# Altium PCB STM32_Cloc.PcbDoc
Units mm, origin at the board's own origin, x right, y up, seen from the top; angles counter-clockwise.
Board outline 93 x 70 mm, 2 copper layers (Top Layer, Bottom Layer); 51 components, 38 nets, 215 pads, 84 vias.
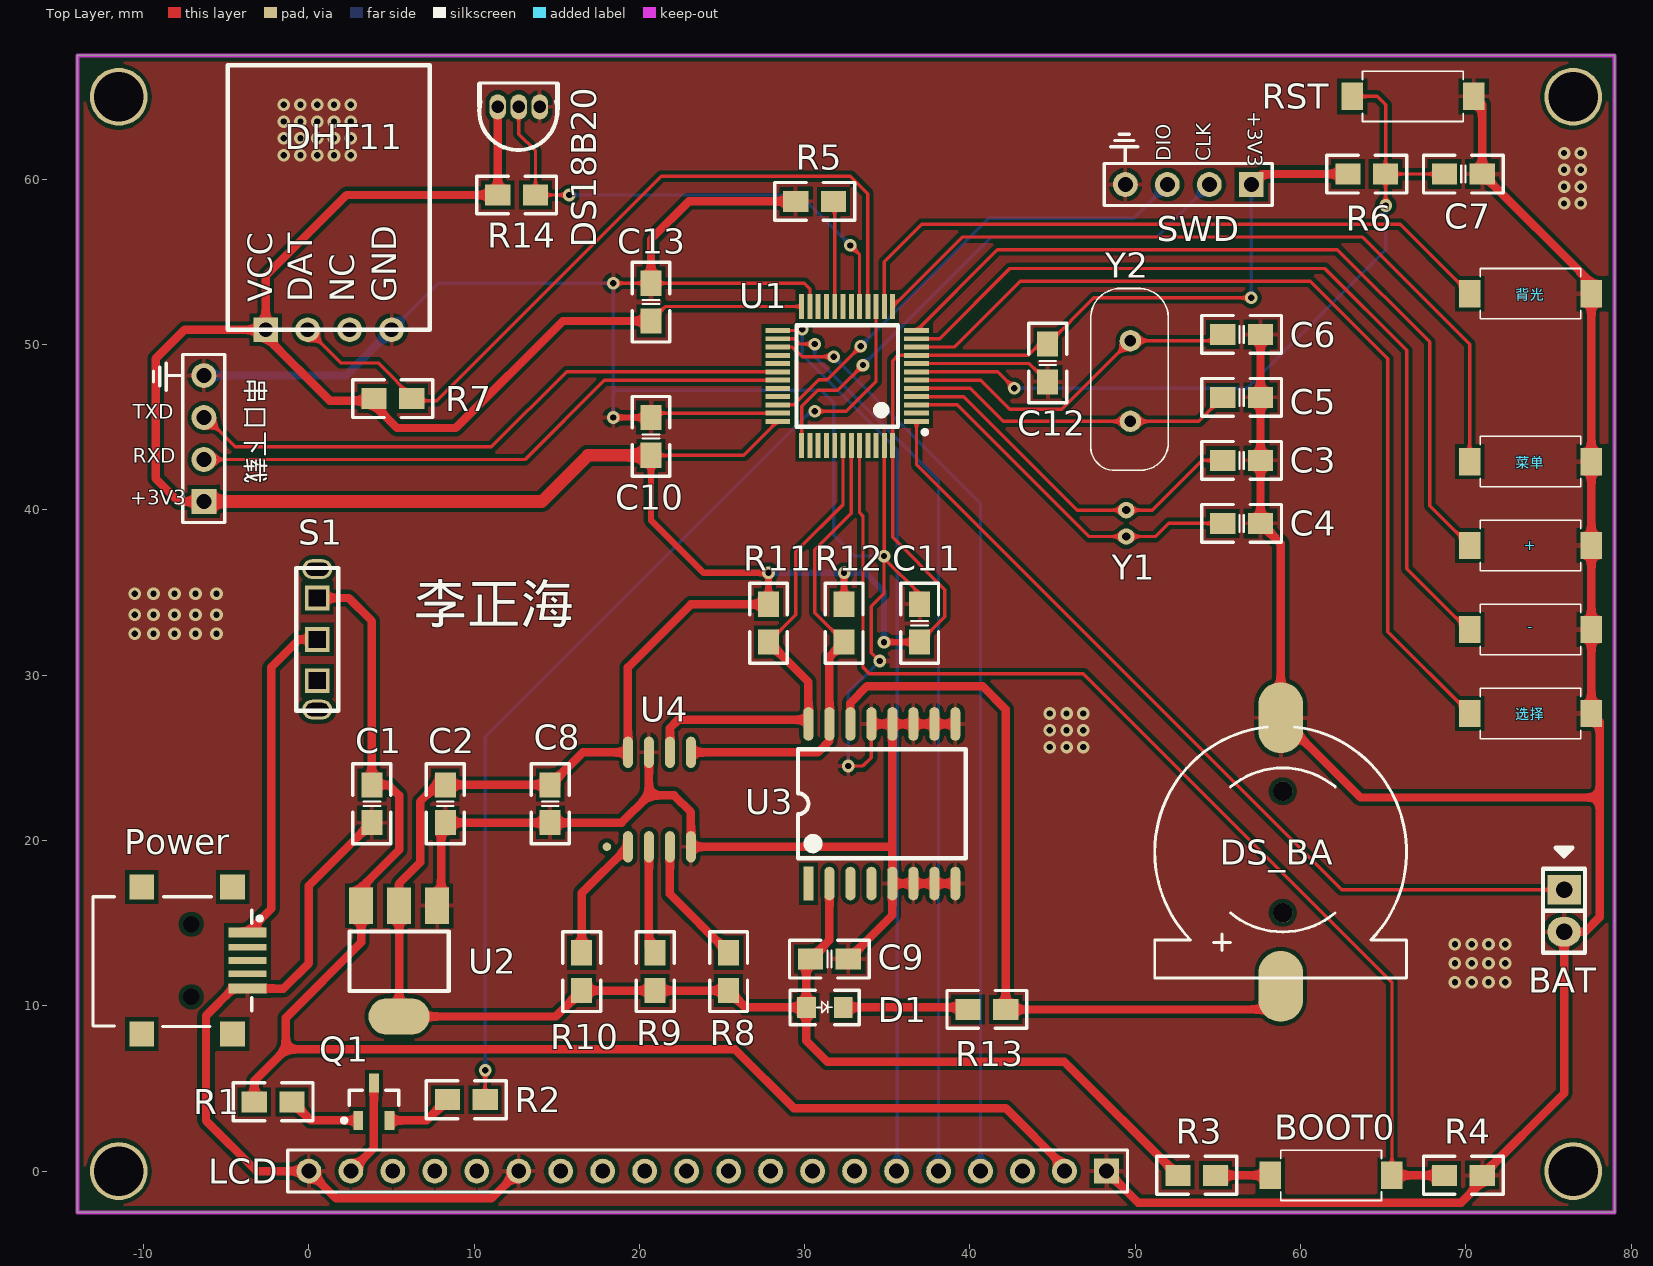
[diagram p0: Top Layer view]
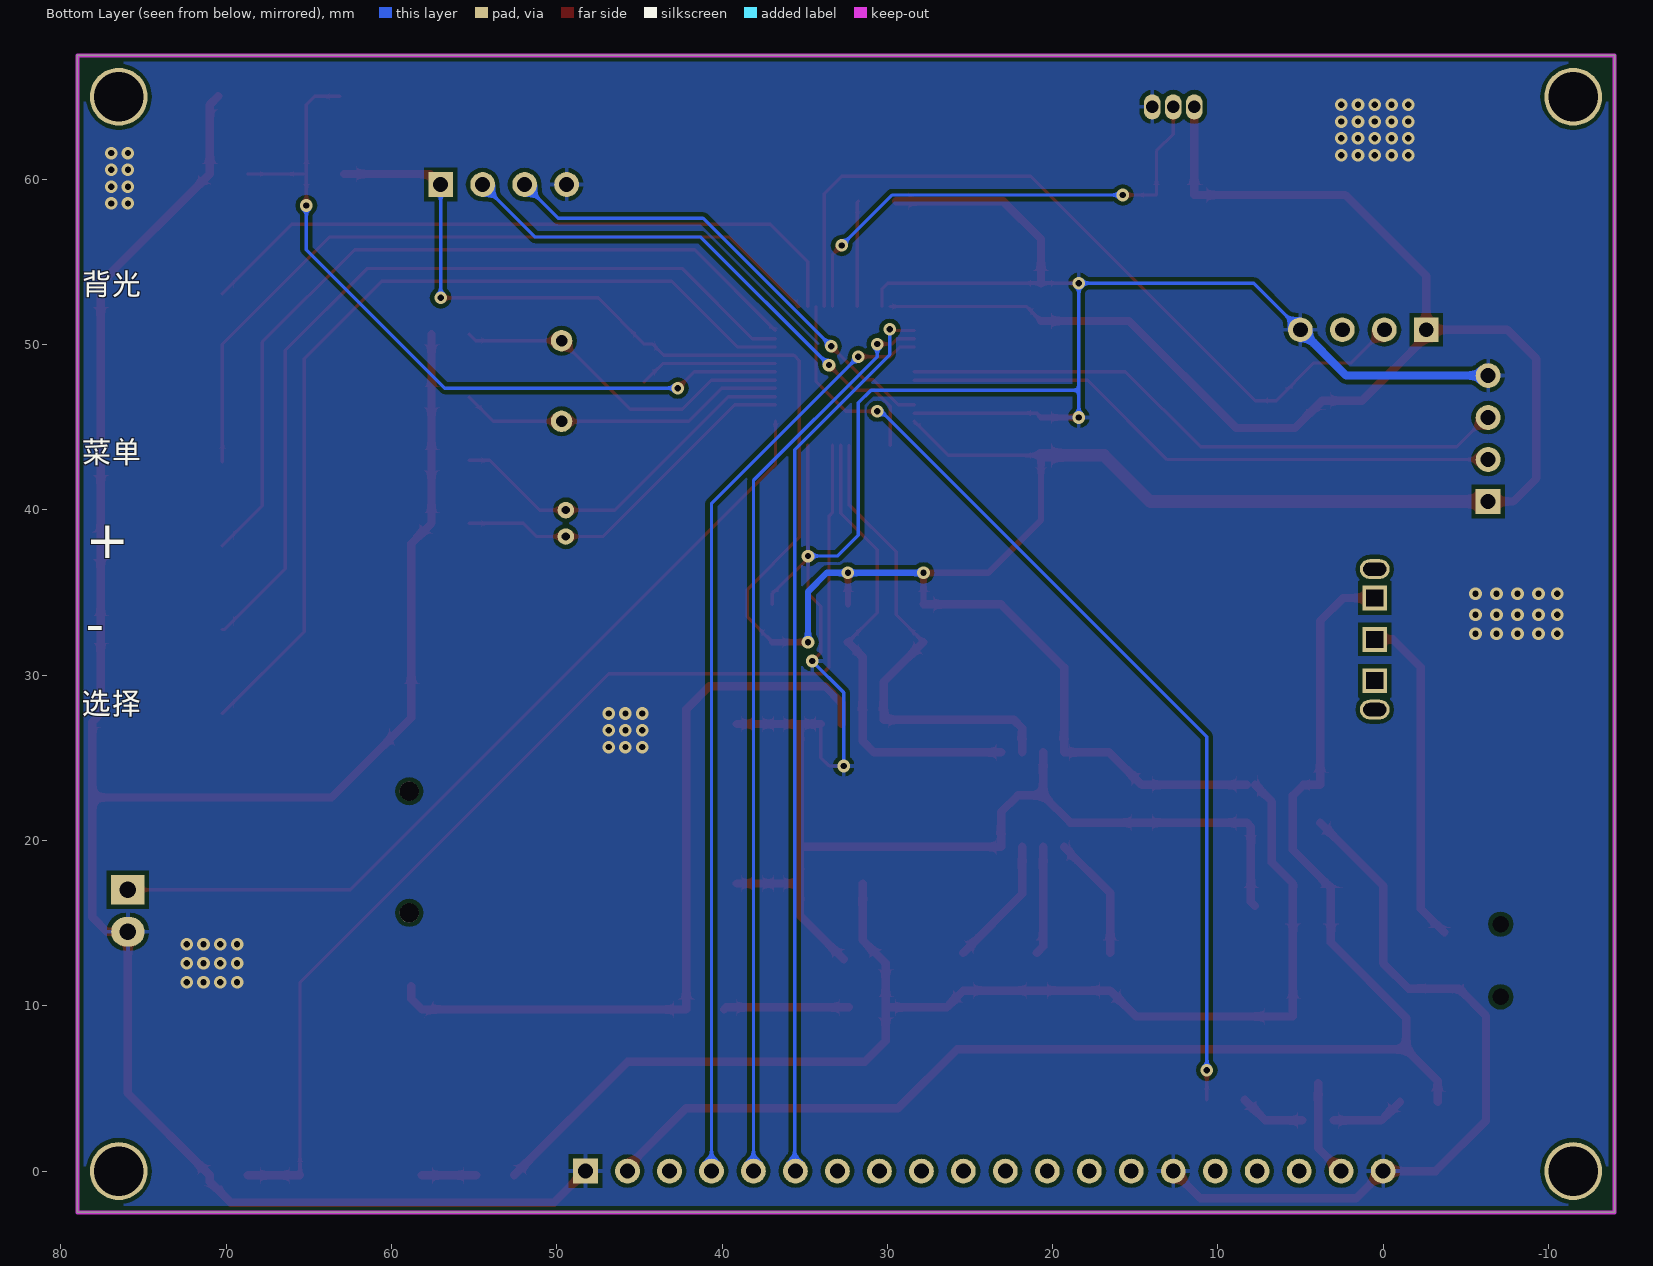
[diagram p1: Bottom Layer view, seen from below]

## Layer stack, top to bottom
Top Layer: signal copper 0.0356
Dielectric: dielectric 0.32, FR-4, Dk 4.8
Bottom Layer: signal copper 0.0356

## Board outline
-14,-2.5 79,-2.5 79,67.5 -14,67.5

## Design rules (kind name [scope] priority, off if disabled: settings)
Clearance [All] p1: gap=0.203
PolygonConnect [All] p1: connectstyle=Relief reliefconductorwidth=0.254 reliefentries=4 polygonreliefangle="90 Angle" airgapwidth=0.254
RoutingVias [All] p1: holewidth=0.711 width=1.27 viastyle="Through Hole" minholewidth=0.254 minwidth=0.254 maxholewidth=0.711 maxwidth=1.27
SilkToSilkClearance [All] p1: silktosilkclearance=0
SilkscreenOverComponentPads SilkToSolderMaskClearance [IsPad] p1: minsilkscreentomaskgap=0
SolderMaskExpansion [All] p1: expansion=0.102
Width [All] p1: maxlimit=1.016 minlimit=0.203 preferedwidth=0.254
26 further rules are at their usual default settings.

## Classes and differential pairs
component class Sheet1: + - BAT BOOT0 C1 C2 C7 C8 C9 C10 C11 C13 D1 DHT11 DS18B20 LCD Power Q1 R1 R2 R3 R4 R5 R6 R7 R8 R9 R10 R11 R12 R13 R14 RST S1 SWD U1 U2 U3 U4 串口下载 背光 菜单 选择

## Components (designator, comment, footprint, x,y, rotation, side; value= is the part's Value field where it differs from the comment)
+ "SW-PB" 贴片按键 73.914,37.846 r0 top
- "SW-PB" 贴片按键 73.914,32.766 r0 top
BAT "HDR1x2" PIN-2-2.54-1.0 75.946,15.748 r270 top
BOOT0 "SW-PB" 贴片按键 61.849,-0.254 r0 top
C1 "10uF" 0805C 3.81,22.225 r90 top
C2 "10uF" 0805C 8.255,22.225 r90 top
C3 "22pF" 0805C 56.439,43.002 r180 top
C4 "22pF" 0805C 56.439,39.192 r180 top
C5 "22pF" 0805C 56.439,46.812 r180 top
C6 "22pF" 0805C 56.439,50.622 r180 top
C7 "100nF" 0805C 69.85,60.325 r180 top
C8 "1uF/105" 0805C 14.605,22.225 r90 top
C9 "0.1uF/104" 0805C 31.496,12.827 r180 top
C10 "1uF/105" 0805C 20.701,44.45 r270 top
C11 "1uF/105" 0805C 36.957,33.147 r270 top
C12 "1uF/105" 0805C 44.704,48.895 r90 top
C13 "1uF/105" 0805C 20.701,52.578 r270 top
D1 "4148" 0805D 30.099,9.906 r0 top
DHT11 "Header 4" DHT11 -2.61,50.903 r0 top
DS18B20 "DS18B20" TO-92 13.97,64.389 r0 top
DS_BA "3V" BAT-3V 58.928,19.431 r0 top
LCD "LCD12864" HDR1X20 48.26,0 r180 top locked (schematic designator LCD12864)
Power "USB" USB_MNI_B -8.182,12.995 r0 top
Q1 "QNPN" SOT-23B_N 3.937,4.191 r90 top
R1 "220R" 0805R -2.159,4.191 r180 top
R2 "1K" 0805R 9.525,4.318 r180 top
R3 "1K" 0805R 53.721,-0.254 r180 top
R4 "10K" 0805R 69.85,-0.254 r180 top
R5 "10K" 0805R 30.607,58.674 r180 top
R6 "10K" 0805R 64.008,60.325 r180 top
R7 "4K7" 0805R 5.08,46.736 r180 top
R8 "4K7" 0805R 25.4,12.065 r270 top
R9 "4K7" 0805R 20.955,12.065 r270 top
R10 "4K7" 0805R 16.51,12.065 r270 top
R11 "4K7" 0805R 27.813,33.147 r90 top
R12 "4K7" 0805R 32.385,33.147 r90 top
R13 "200R" 0805R 41.021,9.779 r0 top
R14 "4K7" 0805R 12.573,59.055 r0 top
RST "SW-PB" 贴片按键 66.802,65.024 r0 top
S1 "NO/OFF" SS12D01 0.508,32.171 r180 top
SWD "Header 4" HDR1X4 57.023,59.69 r180 top
U1 "STM32F103C8T6" QFP-48-0.5 32.569,48.109 r180 top locked
U2 "1117-3V3" AMS1117 5.461,12.7 r180 top
U3 "DS3231" DS3231 34.417,22.098 r90 top
U4 "AT24Cx" SOP8 21.209,22.479 r0 top
Y1 "XTAL" XTAL6X2 49.454,39.192 r0 top
Y2 "XTAL" XTAL_49S_P 49.708,47.701 r270 top
串口下载 "Header 4" HDR1X4 -6.35,40.513 r90 top
背光 "SW-PB" 贴片按键 73.914,53.086 r0 top
菜单 "SW-PB" 贴片按键 73.914,42.926 r0 top
选择 "SW-PB" 贴片按键 73.914,27.686 r0 top

## Footprints (in the part's own frame and the unit in brackets; to place one, negate y for a bottom-side part, rotate by r counter-clockwise, add the part's x,y. Pads: shape width x height; smd on the part's side, far side on the other; paste and mask are expansions set on the pad)
0805C [mil]
  rect 60x50 smd: 1(-45,0) 2(45,0)
  silkscreen extent -95,-45 95,45, body extent -40,-25 40,25, height 20
0805D [mil]
  rect 45x50 smd: 1(0,0) 2(88,0)
  silkscreen extent -39,-41 126,41
0805R [mil]
  rect 60x50 smd: 1(-45,0) 2(45,0)
  silkscreen extent -95,-45 95,45, body extent -40,-25 40,25, height 20
AMS1117 [mm]
  rect 1.45x2.2 smd: 1(-2.3,-3.347) 2(0,-3.347) 3(2.3,-3.347)
  oval 3.7x2.2 smd: 4(0,3.348)
  silkscreen extent -3,-1.8 3,1.8, body extent -3.3,-3.57 3.2,3.43, height 1.85
BAT-3V [mil]
  round 46 hole 46: 0(0,140) 0/2(0,-150)
  oval 106.3x169.29 smd: 1(-5,-325) 2(-5,315)
  silkscreen extent -305,-305 295,293
DHT11 [mm]
  rect 1.5x1.5 hole 0.9: 1(0,0)
  round 1.5 hole 0.9: 2(2.54,0) 3(5.08,0) 4(7.62,0)
  silkscreen extent -2.3,0 9.92,16
DS3231 [mil]
  rect 80x24 smd: 1(-185,165)
  oval 80x24 smd: 2(-185,115) 3(-185,65) 4(-185,15) 5(-185,-35) 6(-185,-85) 7(-185,-135) 8(-185,-185) 9(195,-185) 10(195,-135) 11(195,-85) 12(195,-35) 13(195,15) 14(195,65) 15(195,115) 16(195,165)
  silkscreen extent -125,-210 135,190
HDR1X4 [mm] "Connector; Header; 4 Position"
  rect 1.5x1.5 hole 0.9: 1(0,0)
  round 1.5 hole 0.9: 2(2.54,0) 3(5.08,0) 4(7.62,0)
  silkscreen extent -1.27,-1.27 8.89,1.27
HDR1X20 [mm] "Connector; Header; 20 Position"
  rect 1.5x1.5 hole 0.9: 1(0,0)
  round 1.5 hole 0.9: 2(2.54,0) 3(5.08,0) 4(7.62,0) 5(10.16,0) 6(12.7,0) 7(15.24,0) 8(17.78,0) 9(20.32,0) 10(22.86,0) 11(25.4,0) 12(27.94,0) 13(30.48,0) 14(33.02,0) 15(35.56,0) 16(38.1,0) 17(40.64,0) 18(43.18,0) 19(45.72,0) 20(48.26,0)
  silkscreen extent -1.27,-1.27 49.53,1.27
PIN-2-2.54-1.0 [mil] "Pin Header"
  rect 70x80 hole 39.37: 1(-50,0)
  oval 70x80 hole 39.37: 2(50,0)
  silkscreen extent -150,-50 100,50, body extent -100,-50 100,50, height 398
QFP-48-0.5 [mm] "QFP-48"
  rect 1.5x0.3 smd: 1(-4.2,2.75) 2(-4.2,2.25) 3(-4.2,1.75) 4(-4.2,1.25) 5(-4.2,0.75) 6(-4.2,0.25) 7(-4.2,-0.25) 8(-4.2,-0.75) 9(-4.2,-1.25) 10(-4.2,-1.75) 11(-4.2,-2.25) 12(-4.2,-2.75) 25(4.2,-2.75) 26(4.2,-2.25) 27(4.2,-1.75) 28(4.2,-1.25) 29(4.2,-0.75) 30(4.2,-0.25) 31(4.2,0.25) 32(4.2,0.75) 33(4.2,1.25) 34(4.2,1.75) 35(4.2,2.25) 36(4.2,2.75)
  rect 0.3x1.5 smd: 13(-2.75,-4.2) 14(-2.25,-4.2) 15(-1.75,-4.2) 16(-1.25,-4.2) 17(-0.75,-4.2) 18(-0.25,-4.2) 19(0.25,-4.2) 20(0.75,-4.2) 21(1.25,-4.2) 22(1.75,-4.2) 23(2.25,-4.2) 24(2.75,-4.2) 37(2.75,4.2) 38(2.25,4.2) 39(1.75,4.2) 40(1.25,4.2) 41(0.75,4.2) 42(0.25,4.2) 43(-0.25,4.2) 44(-0.75,4.2) 45(-1.25,4.2) 46(-1.75,4.2) 47(-2.25,4.2) 48(-2.75,4.2)
  silkscreen extent -4.83,-3.07 3.07,3.53, body extent -4.51,-4.51 4.51,4.51, height 1.6
SOP8 [mm]
  round 0.508 smd: 0(-3.175,-2.858)
  oval 0.6x1.9 smd: 1(-1.905,-2.858) 2(-0.635,-2.858) 3(0.635,-2.858) 4(1.905,-2.858) 5(1.905,2.858) 6(0.635,2.858) 7(-0.635,2.858) 8(-1.905,2.858)
  body extent -2.54,-3.02 2.48,3.02, height 1.6
SOT-23B_N [mm] "SOT23, 3-Leads, Body 2.9x1.3mm, Pitch 0.95mm, Lead Span 2.4mm, IPC Medium Density"
  rect 1.15x0.6 smd: 1(-1.125,0.95) 2(-1.125,-0.95) 3(1.125,0)
  silkscreen extent -1.25,-1.5 0.7,1.92, body extent -0.7,-1.5 0.7,1.5, height 1.14
SS12D01 [mm]
  rect 1.5x1.5 hole 1 square: 1(0,-2.5) 2(0,0) 3(0,2.5)
  oval 1.8x1.2 hole 0.8 slot 1.4 at 0 deg: ""(0,4.25) ""(0,-4.25)
  silkscreen extent -1.27,-4.32 1.27,4.32
TO-92 [mil]
  oval 40x60 hole 30: 1(0,0) 2(-50,0) 3(-100,0)
  silkscreen extent -144,-103 42,57, body extent -150,-100 46,58, height 276
USB_MNI_B [mm]
  rect 2.3x0.6 smd: 1(4.47,1.446) 5(4.47,-1.954)
  rect 2.3x0.4 smd: 2(4.47,0.546) 3(4.47,-0.254) 4(4.47,-1.054)
  rect 1.5x1.5 smd: G(-1.93,-4.704) G(-1.93,4.196) G(3.57,-4.704) G(3.57,4.196)
  round 0.6 hole 1 unplated: MH1(1.07,-2.454) MH2(1.07,1.946)
  silkscreen extent -4.88,-4.24 5.33,3.61, body extent -4.79,-5.6 4.41,5.1, height 3.95
XTAL6X2 [mm]
  round 1 hole 0.5: 1(0,-0.8) 2(0,0.8)
  body extent -1.01,-1.4 1.09,1.4, height 8.2
XTAL_49S_P [mm] "49SÖ±²å¾"
  round 1.3 hole 0.7: 1(-2.54,0) 2(2.34,0)
  silkscreen extent -5.7,-2.41 5.3,2.3, body extent -5.5,-1.6 5.17,1.45, height 3.19
贴片按键 [mil]
  rect 51.18x65 smd: 1(145,0) 2(-145,0)
  silkscreen extent -120,-60 120,60, body extent -130,-65 130,61, height 75

## Part data
+ - BOOT0 RST: "Swi"
BAT: "Connector"
C1 C2 C7 C8 C9 C10 C11 C12 C13: library part C
C3 C4 C5 C6: library part Cap, "Capacitor"
D1: library part DIODE, "二极"
DHT11 SWD 串口下载: "Header, 4-Pin"
DS_BA: library part BATTERY, "µç³"
Q1: "NPN Bipolar Transistor"
R1 R2 R3 R4 R5 R6 R7 R8 R9 R10 R11 R12 R13 R14: library part R
S1: library part SW-SPDT, "µ¥µ¶Ë"
Y1 Y2: "Crystal Oscillator"
背光 菜单 选择: "S"

## Free pads (board coordinates)
  round 3.5 hole 3: 1(-11.5,65) 2(76.5,65) 3(76.5,0) 4(-11.5,0)

## Via types
v1: diameter 0.762, hole 0.381, Top Layer to Bottom Layer, tented both sides, 84 vias

## Nets (pads, with @x,y where several pads share a name; then routed paths per layer and width w, separated by ;. In a path a pad name is that pad's centre, name@x,y a point inside that pad or via, vN(x,y) a via of type N, cw(c..) or ccw(c..) an arc to the next point about the centre after c; other vN are vias at no path point)
+3V3: C2.2 C8.2 C9.2 C10.2 C11.2 C12.2 C13.2 D1.1 DHT11.1 DS18B20.3 R3.2 R6.2 R7.2 R8.2 R9.2 R10.2 R11.2 R12.2 R14.1 SWD.1 U1.9 U1.24 U1.36 U1.48 U2.2 U2.4 U3.2 U4.8 串口下载.1 | length 305.6
  Top Layer w0.203: C10.2 26.317,43.307 U1.36 ; C13.2 21.575,52.309 U1.24 ; C11.2 38.481,33.528 38.481,35.179 35.319,38.341 U1.48 35.319,49.035 35.643,49.359 U1.9 43.517,49.359 44.196,50.038 C12.2 47.498,52.832 v1(57.023,52.832)
  Top Layer w0.381: C10.2 20.701,39.37 23.876,36.195 v1(27.813,36.195) R11.2 ; R12.2 v1(32.385,36.195) ; v1(34.798,32.004) C11.2
  Top Layer w0.508: 串口下载.1@-6.35,40.132 -6.731,40.513 -7.874,40.513 -9.271,41.91 -9.271,49.149 -7.517,50.903 DHT11.1 ; C2.2@7.747,23.368 6.731,22.352 6.731,18.669 5.461,17.399 U2.2 U2.4 14.94,9.352 R10.2 R9.2 R8.2 26.416,9.906 D1.1 ; C2.2 C8.2 16.574,25.337 U4.8 19.304,30.48 23.114,34.29 R11.2 ; DS18B20.3 R14.1 2.286,59.055 -2.61,54.159 DHT11.1 ; C13.2 15.367,51.435 8.89,44.958 5.334,44.958 3.683,46.609 1.27,46.609 -2.61,50.489 DHT11.1 ; U3.2 31.496,13.97 C9.2 30.099,12.573 D1.1 ; R3.2 45.72,6.604 31.369,6.604 30.099,7.874 D1.1 ; SWD.1 57.658,60.325 R6.2
  Top Layer w0.762: 串口下载.1 14.097,40.513 16.891,43.307 C10.2
  Bottom Layer w0.203: v1(57.023,52.832) SWD.1
  Bottom Layer w0.381: v1(27.813,36.195) v1(32.385,36.195) 33.655,36.195 34.798,35.052 v1(34.798,32.004)
+5V: C1.2 LCD.2 R1.2 S1.1 U2.3 | length 88.2
  Top Layer w0.508: R1.2 -3.302,5.461 -1.397,7.366 ; S1.1 2.413,34.671 3.81,33.274 C1.2 4.826,23.368 5.461,22.733 5.461,19.431 3.161,17.131 U2.3 3.161,13.829 -1.397,9.271 -1.397,7.366 ; LCD.2 45.72,0.254 42.164,3.81 29.337,3.81 25.781,7.366 -1.397,7.366
BOOT0: BOOT0.1 R4.2 U1.44 | length 68.3
  Top Layer w0.203: U1.44 33.319,39.833 33.528,39.624 33.528,30.48 33.909,30.099 46.863,30.099 65.532,11.43 BOOT0.1
  Top Layer w0.508: BOOT0.1 R4.2
DHT11: DHT11.2 R7.1 U1.16 | length 48.6
  Top Layer w0.203: DHT11.2 1.938,48.895 4.191,48.895 6.477,46.609 7.747,46.609 21.336,60.198 32.766,60.198 33.819,59.145 U1.16
DS18B20: DS18B20.2 R14.2 U1.17 | length 30
  Top Layer w0.203: DS18B20.2 12.7,62.738 13.716,61.722 R14.2 v1(15.748,59.055) ; v1(32.766,56.007) 33.319,55.454 U1.17
  Bottom Layer w0.203: v1(15.748,59.055) 29.718,59.055 v1(32.766,56.007)
GND: +.1 -.1 BAT.2 C1.1 C2.1 C3.1 C4.1 C5.1 C6.1 C7.1 C8.1 C9.1 C10.1 C11.1 C12.1 C13.1 DHT11.4 DS18B20.1 DS_BA.2 LCD.1 LCD.15 LCD.20 Power.5 R4.1 R5.2 RST.1 SWD.4 U1.8 U1.23 U1.35 U1.47 U2.1 U3.5 U3.6 U3.7 U3.8 U3.9 U3.10 U3.11 U3.12 U3.13 U4.4 U4.7 串口下载.4 背光.1 菜单.1 选择.1 | length 382
  Top Layer w0.203: v1(18.415,53.721) C13.1 29.972,53.721 30.319,53.374 U1.23 ; C10.1 20.967,45.859 U1.35 ; v1(32.639,24.511) 33.528,24.511 34.036,25.019 U3.13 ; v1(34.544,30.861) 34.036,31.369 34.036,34.163 34.798,34.925 v1(34.798,37.211) ; U1.47 34.819,37.063 36.957,34.925 C11.1 ; U1.8 43.597,48.859 C12.1
  Top Layer w0.381: v1(18.415,45.593) C10.1
  Top Layer w0.508: C1.1 0,17.272 0,12.573 -1.532,11.041 Power.5 -4.58,11.041 -6.223,9.398 -6.223,3.048 -3.175,0 LCD.20 1.651,-1.651 11.049,-1.651 LCD.15 ; U2.1 8.001,16.287 8.001,20.828 C2.1 C8.1 18.923,21.082 20.574,22.733 ; U4.7 20.574,22.733 ; C13.1 20.701,56.388 22.987,58.674 R5.2 ; C9.1 35.306,15.494 U3.5 ; U3.13 U3.12 ; U3.8 U3.7 U3.6 U3.5 ; U3.9 U3.10 U3.11 U3.12 ; LCD.1 50.165,-1.905 69.723,-1.905 70.993,-0.635 R4.1 75.946,4.699 BAT.2 77.216,14.478 78.105,15.367 78.105,22.606 ; C6.1 C5.1 C3.1 C4.1 58.801,37.973 DS_BA.2 63.627,22.606 78.105,22.606 ; RST.1 70.993,64.516 C7.1 77.597,53.721 背光.1 菜单.1 +.1 -.1 选择.1 78.105,27.178 78.105,22.606 ; 20.574,22.733 22.098,22.733 23.114,21.717 U4.4 35.115,19.621 35.306,19.812 ; U3.5 35.306,19.812 ; 35.306,19.812 U3.12
  Bottom Layer w0.203: DHT11.4 7.828,53.721 v1(18.415,53.721) 18.415,47.244 ; v1(18.415,45.593) 18.415,47.244 ; v1(32.639,24.511) 32.639,28.956 v1(34.544,30.861) ; v1(34.798,37.211) 33.02,37.211 31.75,38.481 31.75,46.482 30.988,47.244 18.415,47.244
  Bottom Layer w0.508: 串口下载.4 2.24,48.133 DHT11.4
  other v1: 69.342,11.43 70.358,11.43 71.374,11.43 72.39,11.43 69.342,12.573 70.358,12.573 71.374,12.573 72.39,12.573 69.342,13.716 70.358,13.716 71.374,13.716 72.39,13.716 44.831,25.654 45.847,25.654 46.863,25.654 44.831,26.67 45.847,26.67 46.863,26.67 44.831,27.686 45.847,27.686 46.863,27.686 -10.541,32.512 -9.398,32.512 -8.128,32.512 -6.858,32.512 -5.588,32.512 -10.541,33.655 -9.398,33.655 -8.128,33.655 -6.858,33.655 -5.588,33.655 -10.541,34.925 -9.398,34.925 -8.128,34.925 -6.858,34.925 -5.588,34.925 75.946,58.547 76.962,58.547 75.946,59.563 76.962,59.563 75.946,60.579 76.962,60.579 -1.524,61.468 -0.508,61.468 0.508,61.468 1.524,61.468 2.54,61.468 75.946,61.595 76.962,61.595 -1.524,62.484 -0.508,62.484 0.508,62.484 1.524,62.484 2.54,62.484 -1.524,63.5 -0.508,63.5 0.508,63.5 1.524,63.5 2.54,63.5 -1.524,64.516 -0.508,64.516 0.508,64.516 1.524,64.516 2.54,64.516
IIC_SCL: R11.1 U1.42 U3.16 U4.6 | length 29.5
  Top Layer w0.203: R11.1 29.464,33.655 29.464,37.465 32.319,40.32 U1.42
  Top Layer w0.508: U4.6 21.844,26.797 22.352,27.305 30.226,27.305 30.226,29.591 R11.1
IIC_SDA: R12.1 U1.43 U3.15 U4.5 | length 28.6
  Top Layer w0.203: R12.1 30.607,33.782 30.607,37.592 32.819,39.804 U1.43
  Top Layer w0.508: U4.5 30.798,25.337 31.496,26.035 U3.15 31.496,31.115 R12.1
K1: U1.10 选择.2 | length 55.6
  Top Layer w0.203: U1.10 39.064,49.859 43.053,53.848 60.579,53.848 65.278,49.149 65.278,32.639 选择.2
K2: -.2 U1.11 | length 52
  Top Layer w0.203: U1.11 38.167,50.359 42.418,54.61 61.468,54.61 66.421,49.657 66.421,36.449 70.104,32.766 -.2
K3: +.2 U1.12 | length 48.7
  Top Layer w0.203: U1.12 41.663,55.753 62.23,55.753 67.818,50.165 67.818,40.259 +.2
K4: U1.13 菜单.2 | length 46.4
  Top Layer w0.203: U1.13 39.525,56.515 63.754,56.515 70.231,50.038 菜单.2
LCD_BK: R2.1 U1.15 | length 59.1
  Top Layer w0.203: R2.1 v1(10.668,6.096) ; v1(30.607,45.974) 32.512,45.974 34.319,47.781 U1.15
  Bottom Layer w0.203: v1(10.668,6.096) 10.668,26.289 30.353,45.974 v1(30.607,45.974)
LCD_BK_Con: U1.14 背光.2 | length 40.8
  Top Layer w0.203: U1.14 34.819,55.012 37.084,57.277 66.04,57.277 背光.2
LCD_CK: LCD.6 U1.25 | length 54.8
  Top Layer w0.203: U1.25 29.777,50.859 v1(29.845,50.927)
  Bottom Layer w0.203: v1(29.845,50.927) 29.845,49.403 35.611,43.637 35.611,0.051 LCD.6
LCD_CS: LCD.4 U1.27 | length 56.6
  Top Layer w0.203: U1.27 29.262,49.859 29.845,49.276 v1(31.75,49.276)
  Bottom Layer w0.203: v1(31.75,49.276) 40.64,40.386 LCD.4
LCD_IO: LCD.5 U1.26 | length 55.5
  Top Layer w0.203: U1.26 29.397,50.359 29.718,50.038 v1(30.607,50.038)
  Bottom Layer w0.203: v1(30.607,50.038) 30.607,49.276 38.1,41.783 LCD.5
NetBAT_1: BAT.1 U1.1 | length 52.5
  Top Layer w0.203: U1.1 36.769,42.733 62.484,17.018 BAT.1
NetBOOT0_2: BOOT0.2 R3.1 | length 3.3
  Top Layer w0.508: R3.1 BOOT0.2
NetD1_2: D1.2 R13.1 | length 7.6
  Top Layer w0.508: D1.2 39.751,9.906 R13.1
NetDS_BA_1: DS_BA.1 R13.2 U3.14 | length 47.5
  Top Layer w0.508: U3.14 32.766,28.321 33.782,29.337 40.767,29.337 42.164,27.94 R13.2 58.166,9.779 58.801,10.414 DS_BA.1
NetLCD12864_19: LCD.19 Q1.3 | length 5.9
  Top Layer w0.508: LCD.19 3.937,1.397 Q1.3
NetPower_1: Power.1 S1.2 | length 20.1
  Top Layer w0.508: Power.1 -2.286,15.867 -2.286,30.48 -0.595,32.171 S1.2
NetQ1_1: Q1.1 R1.1 | length 4.5
  Top Layer w0.508: R1.1 0.109,3.066 Q1.1
NetQ1_2: Q1.2 R2.2 | length 4
  Top Layer w0.508: Q1.2 7.13,3.066 R2.2
NetR5_1: R5.1 U1.20 | length 6.4
  Top Layer w0.203: R5.1 31.819,58.605 U1.20
NetR8_1: R8.1 U4.3 | length 7.9
  Top Layer w0.508: U4.3 21.844,16.764 R8.1
NetR9_1: R9.1 U4.2 | length 6.6
  Top Layer w0.508: U4.2 20.574,13.589 R9.1
NetR10_1: R10.1 U4.1 | length 7.6
  Top Layer w0.508: R10.1 16.51,16.827 U4.1
NRST: C7.2 R6.1 RST.2 U1.7 | length 46.8
  Top Layer w0.203: U1.7 41.684,48.359 v1(42.672,47.371) ; RST.2 64.643,65.024 65.151,64.516 R6.1 ; v1(65.151,58.42) R6.1 ; C7.2 R6.1
  Bottom Layer w0.203: v1(42.672,47.371) 56.769,47.371 65.151,55.753 v1(65.151,58.42)
OSCIN: C5.2 U1.5 Y2.2 | length 20
  Top Layer w0.203: U1.5 40.017,47.359 42.015,45.361 Y2.2 53.845,45.361 C5.2
OSCOUT: C6.2 U1.6 Y2.1 | length 21.1
  Top Layer w0.203: U1.6 40.66,47.859 42.418,46.101 45.568,46.101 Y2.1 54.915,50.241 C6.2
PC14: C4.2 U1.3 Y1.1 | length 22.2
  Top Layer w0.203: U1.3 39.239,46.359 47.206,38.392 Y1.1 51.219,38.392 52.019,39.192 C4.2
PC15: C3.2 U1.4 Y1.2 | length 22.6
  Top Layer w0.203: U1.4 39.628,46.859 46.495,39.992 Y1.2 51.041,39.992 54.051,43.002 C3.2
ST_RXD: U1.31 串口下载.2 | length 36.9
  Top Layer w0.203: 串口下载.2@-6.35,42.672 -5.969,43.053 13.081,43.053 17.887,47.859 U1.31
ST_TXD: U1.30 串口下载.3 | length 37.2
  Top Layer w0.203: 串口下载.3@-6.35,45.212 -5.842,45.212 -4.445,43.815 11.049,43.815 15.593,48.359 U1.30
SWCLK: SWD.2 U1.37 | length 32.6
  Top Layer w0.203: U1.37 29.819,46.266 30.797,47.244 32.004,47.244 v1(33.528,48.768)
  Bottom Layer w0.203: v1(33.528,48.768) 41.275,56.515 51.308,56.515 SWD.2
SWDIO: SWD.3 U1.34 | length 29.1
  Top Layer w0.203: U1.34 29.337,46.359 30.857,47.879 31.369,47.879 v1(33.401,49.911)
  Bottom Layer w0.203: v1(33.401,49.911) 41.148,57.658 49.911,57.658 SWD.3
pads on no net: DHT11.3 DS_BA.0 DS_BA.0/2 LCD.3 LCD.7 LCD.8 LCD.9 LCD.10 LCD.11 LCD.12 LCD.13 LCD.14 LCD.16 LCD.17 LCD.18 Power.2 Power.3 Power.4 Power.G Power.MH1 Power.MH2 S1. S1.3 U1.2 U1.18 U1.19 U1.21 U1.22 U1.28 U1.29 U1.32 U1.33 U1.38 U1.39 U1.40 U1.41 U1.45 U1.46 U3.1 U3.3 U3.4 U4.0

## Polygon pours and split planes (outlines as drawn)
GND on Bottom Layer "Top Layer-No Net" (solid, pour order 10): -14,67.5 -14,-2.5 79,-2.5 79,67.5
GND on Top Layer "Top Layer-No Net" (solid, pour order 8): -14,67.5 -14,-2.5 79,-2.5 79,67.5

## Keep-outs
Keep-Out Layer:
  the board outline again, w0.254

## Silkscreen, mask and mechanical layers (free items; w line width, h text height)
Top Overlay:
  lines w0.203: -9.398,47.752 -9.398,48.387 ; -9.017,47.498 -9.017,48.641 ; -8.636,47.244 -8.636,47.498 -8.636,48.895 ; -8.636,48.133 -7.62,48.133 ; 48.514,61.976 48.768,61.976 50.165,61.976 ; 48.768,62.357 49.911,62.357 ; 49.022,62.738 49.657,62.738 ; 49.403,60.96 49.403,61.976
  text "+3V3" at 56.515,64.135 h1.52 r270
  text "DIO" at 52.451,61.087 h1.52 r90
  text "CLK" at 54.864,61.087 h1.52 r90
  text "TXD" at -10.668,45.212 h1.52
  text "RXD" at -10.668,42.545 h1.52
  text "+3V3" at -10.795,40.005 h1.52
  text "李正海" at 6.35,32.385 h4.06

## Text inside footprints (layer, text, board x,y; h text height)
DHT11: Top Overlay "GND" at 5.772,52.554 h2.54 r90; Top Overlay "NC" at 3.232,52.554 h2.54 r90; Top Overlay "DAT" at 0.692,52.554 h2.54 r90; Top Overlay "VCC" at -1.721,52.554 h2.54 r90